# Altium PCB HIVE_BOARD_PCB ASCII REV Project_PCB_Rev.Project_SCH_Rev.PcbDoc (part 2 of 9)
Units mm, origin at the board's own origin, x right, y up, seen from the top; angles counter-clockwise.
Board outline 110 x 110 mm, 8 copper layers (Top, GND_1, Signal_1, GND_2, PWR, Signal_2, GND_3, Bottom), stack 1.6 mm thick; 674 components, 474 nets, 2528 pads, 2100 vias.
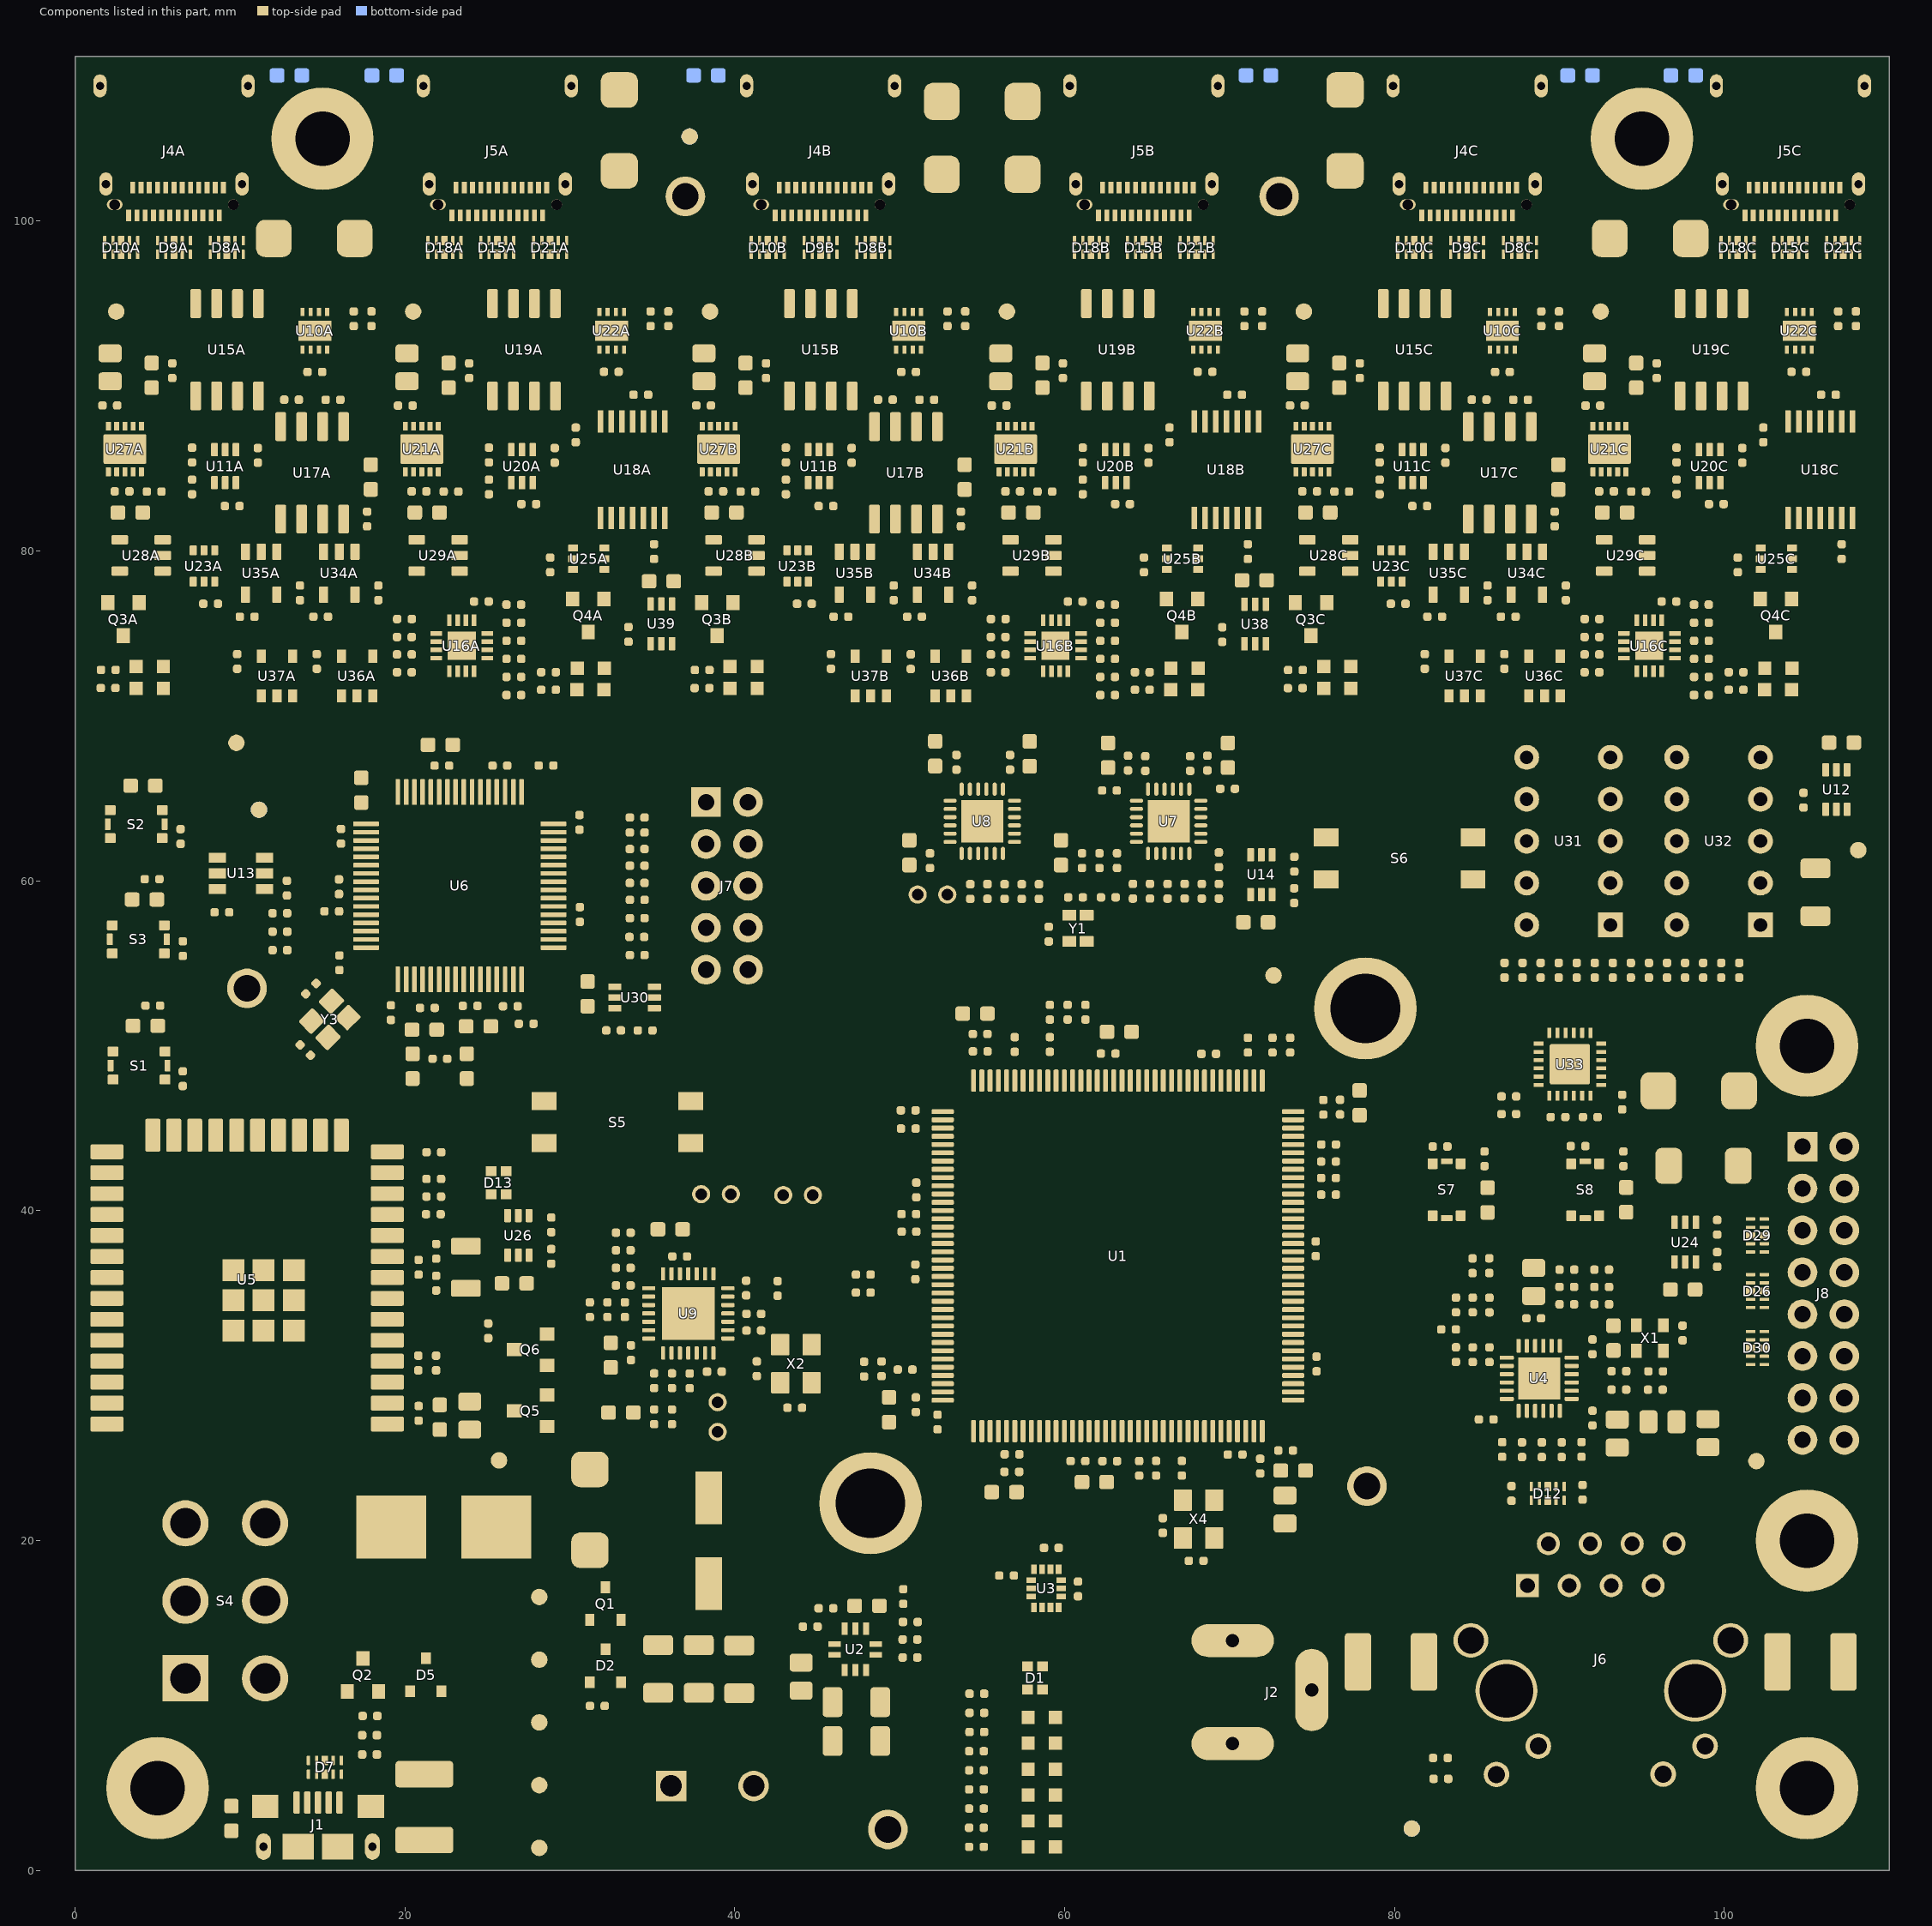
[diagram p8: the components of this part, seen from the top]

## Components (designator, comment, footprint, x,y, rotation, side; value= is the part's Value field where it differs from the comment) (continued)
D7 "DT1140-04LP-7" TVS_DATA_DT1140-04LP-7 15.146,6.259 r270 top
D8A "DT1140-04LP-7" TVS_DATA_DT1140-04LP-7 9.2,98.4 r270 top (schematic designator D8)
D8B "DT1140-04LP-7" TVS_DATA_DT1140-04LP-7 48.4,98.4 r270 top (schematic designator D8)
D8C "DT1140-04LP-7" TVS_DATA_DT1140-04LP-7 87.6,98.4 r270 top (schematic designator D8)
D9A "DT1140-04LP-7" TVS_DATA_DT1140-04LP-7 6,98.4 r270 top (schematic designator D9)
D9B "DT1140-04LP-7" TVS_DATA_DT1140-04LP-7 45.2,98.4 r270 top (schematic designator D9)
D9C "DT1140-04LP-7" TVS_DATA_DT1140-04LP-7 84.4,98.4 r270 top (schematic designator D9)
D10A "DT1140-04LP-7" TVS_DATA_DT1140-04LP-7 2.8,98.4 r270 top (schematic designator D10)
D10B "DT1140-04LP-7" TVS_DATA_DT1140-04LP-7 42,98.4 r270 top (schematic designator D10)
D10C "DT1140-04LP-7" TVS_DATA_DT1140-04LP-7 81.2,98.4 r270 top (schematic designator D10)
D11A "SMBJ5.0CA" TVS_PWR_SMBJ5.0CA 14.5,98.95 r0 top locked (schematic designator D11)
D11B "SMBJ5.0CA" TVS_PWR_SMBJ5.0CA 54.997,102.84 r0 top locked (schematic designator D11)
D11C "SMBJ5.0CA" TVS_PWR_SMBJ5.0CA 77,105.5 r90 top locked (schematic designator D11)
D12 "DT1140-04LP-7" TVS_DATA_DT1140-04LP-7 89.287,22.86 r90 top
D13 "EAST1616RGBA3" DIO_EAST1616RGBA3 25.679,41.707 r90 top
D14A "SML-D12U8WT86" LED_SML-D12U8WT86 4.53,71.666 r180 top (schematic designator D14)
D14B "SML-D12U8WT86" LED_SML-D12U8WT86 40.53,71.666 r180 top (schematic designator D14)
D14C "SML-D12U8WT86" LED_SML-D12U8WT86 76.53,71.666 r180 top (schematic designator D14)
D15A "DT1140-04LP-7" TVS_DATA_DT1140-04LP-7 25.6,98.4 r270 top (schematic designator D15)
D15B "DT1140-04LP-7" TVS_DATA_DT1140-04LP-7 64.8,98.4 r270 top (schematic designator D15)
D15C "DT1140-04LP-7" TVS_DATA_DT1140-04LP-7 104,98.4 r270 top (schematic designator D15)
D16A "SMBJ5.0CA" TVS_PWR_SMBJ5.0CA 33,105.5 r90 top locked (schematic designator D16)
D16B "SMBJ5.0CA" TVS_PWR_SMBJ5.0CA 54.999,107.254 r180 top locked (schematic designator D16)
D16C "SMBJ5.0CA" TVS_PWR_SMBJ5.0CA 95.5,98.95 r180 top locked (schematic designator D16)
D17A "SML-D12P8WT86" LED_SML-D12P8WT86 4.53,73 r180 top (schematic designator D17)
D17B "SML-D12P8WT86" LED_SML-D12P8WT86 40.53,73 r180 top (schematic designator D17)
D17C "SML-D12P8WT86" LED_SML-D12P8WT86 76.53,73 r180 top (schematic designator D17)
D18A "DT1140-04LP-7" TVS_DATA_DT1140-04LP-7 22.4,98.4 r270 top (schematic designator D18)
D18B "DT1140-04LP-7" TVS_DATA_DT1140-04LP-7 61.6,98.4 r270 top (schematic designator D18)
D18C "DT1140-04LP-7" TVS_DATA_DT1140-04LP-7 100.8,98.4 r270 top (schematic designator D18)
D19A "SML-D12P8WT86" LED_SML-D12P8WT86 31.267,72.898 r180 top (schematic designator D19)
D19B "SML-D12P8WT86" LED_SML-D12P8WT86 67.267,72.898 r180 top (schematic designator D19)
D19C "SML-D12P8WT86" LED_SML-D12P8WT86 103.267,72.898 r180 top (schematic designator D19)
D20A "SML-D12U8WT86" LED_SML-D12U8WT86 31.248,71.589 r180 top (schematic designator D20)
D20B "SML-D12U8WT86" LED_SML-D12U8WT86 67.248,71.589 r180 top (schematic designator D20)
D20C "SML-D12U8WT86" LED_SML-D12U8WT86 103.248,71.589 r180 top (schematic designator D20)
D21A "DT1140-04LP-7" TVS_DATA_DT1140-04LP-7 28.8,98.4 r270 top (schematic designator D21)
D21B "DT1140-04LP-7" TVS_DATA_DT1140-04LP-7 68,98.4 r270 top (schematic designator D21)
D21C "DT1140-04LP-7" TVS_DATA_DT1140-04LP-7 107.2,98.4 r270 top (schematic designator D21)
D22 "SML-D12P8WT86" LED_SML-D12P8WT86 58.608,7.719 r180 top
D23 "SML-D12P8WT86" LED_SML-D12P8WT86 58.608,6.148 r180 top
D24 "SML-D12P8WT86" LED_SML-D12P8WT86 58.608,4.577 r180 top
D25 "SML-D12P8WT86" LED_SML-D12P8WT86 58.611,9.289 r180 top
D26 "DT1140-04LP-7" TVS_DATA_DT1140-04LP-7 102,35.132 r0 top
D27 "SMBJ5.0CA" TVS_PWR_SMBJ5.0CA 98.436,47.276 r180 top
D28 "SMLVT3V3" TVS_POW_SMLVT3V3 98.725,42.728 r180 top
D29 "DT1140-04LP-7" TVS_DATA_DT1140-04LP-7 102,38.5 r0 top
D30 "DT1140-04LP-7" TVS_DATA_DT1140-04LP-7 102,31.68 r0 top
F1 "0154005.DR" FUS_0154XXX.DR 22.352,20.828 r0 top
FID1 "FID 1MM" FID_CIRCLE_1MM 81.044,2.546 r0 top
FID2 "FID 1MM" FID_CIRCLE_1MM 11.151,64.313 r0 top
FID3 "FID 1MM" FID_CIRCLE_1MM 37.262,105.131 r0 top
HS1 "ATS-CPX025025015-138-C2-R0" THE_HS_ATS-CPX025025015-138-C2-R0_NOMH 63.226,37.264 r0 top locked
J1 "10118193-0001LF" CON_USB_10118194-0001LF 14.73,1.448 r0 top
J2 "54-00166" CON_PWR_PJ-002A 70.18,7.695 r270 top
J3 "1935161" "CON_ 1935161" 36.142,5.126 r0 top
J4A "12401598E4#2A" CON_USB_3.2_TypeC_12401598E4#2A 6,101 r180 top locked (schematic designator J4)
J4B "12401598E4#2A" CON_USB_3.2_TypeC_12401598E4#2A 45.2,101 r180 top locked (schematic designator J4)
J4C "12401598E4#2A" CON_USB_3.2_TypeC_12401598E4#2A 84.4,101 r180 top locked (schematic designator J4)
J5A "12401598E4#2A" CON_USB_3.2_TypeC_12401598E4#2A 25.6,101 r180 top locked (schematic designator J5)
J5B "12401598E4#2A" CON_USB_3.2_TypeC_12401598E4#2A 64.8,101 r180 top locked (schematic designator J5)
J5C "12401598E4#2A" CON_USB_3.2_TypeC_12401598E4#2A 104,101 r180 top locked (schematic designator J5)
J6 "J1B1211CCD" CON_ETH_J1B1211CCD_WIZ 88.69,13.484 r0 top
J7 "PREC005DAAN-RC" CON_HDR_PREC009DAAN-RC 39.529,59.697 r0 top
J8 "PREC008DAAN-RC" CON_HDR_PREC008DAAN-RC 106,35 r0 top
J10 "SNT-100-BK-T-H" CON_JMP_SNT-100-BK-T-H 39.529,62.237 r180 top
J12 "SNT-100-BK-T-H" CON_JMP_SNT-100-BK-T-H 39.529,54.617 r180 top
J13 "SNT-100-BK-T-H" CON_JMP_SNT-100-BK-T-H 39.529,57.157 r180 top
J15 "SNT-100-BK-T-H" CON_JMP_SNT-100-BK-T-H 39.529,64.777 r180 top
J17 "SNT-100-BK-T-H" CON_JMP_SNT-100-BK-T-H 39.529,59.697 r180 top
L1 "MMZ2012Y202BT000" FER_0805 73.36,21.892 r90 top
L3 "MMZ2012Y202BT000" FER_0805 96.241,27.203 r180 top
L4 "BLM18HE152SN1D" FER_0603 20.464,48.767 r90 top
L6 "BLM18HE152SN1D" FER_0603 23.753,48.767 r90 top
MEC1 "SMTSO-M3-2ET" MEC_PEM_SMTSO-M3-2ET 48.226,22.264 r0 top
MEC2 "SMTSO-M3-2ET" MEC_PEM_SMTSO-M3-2ET 78.226,52.264 r0 top
MTH1 "M3" MTH_M3 5,5 r0 top
MTH2 "M3" MTH_M3 105,5 r0 top
MTH3 "M3" MTH_M3 15,105 r0 top locked
MTH4 "M3" MTH_M3 95,105 r0 top locked
MTH5 "M3" MTH_M3 105,20 r0 top
MTH6 "M3" MTH_M3 105,50 r0 top
Q1 "SI2369DS-T1-GE3" TRX_PMOS_SI2369DS-T1-GE3 32.156,16.18 r90 top
Q2 "BSS138LT1G" TRX_NMOS_BSS138LT1G 17.455,11.861 r90 top
Q3A "BSS138LT1G" TRX_NMOS_BSS138LT1G 2.933,75.87 r270 top (schematic designator Q3)
Q3B "BSS138LT1G" TRX_NMOS_BSS138LT1G 38.933,75.87 r270 top (schematic designator Q3)
Q3C "BSS138LT1G" TRX_NMOS_BSS138LT1G 74.933,75.87 r270 top (schematic designator Q3)
Q4A "BSS138LT1G" TRX_NMOS_BSS138LT1G 31.112,76.091 r270 top (schematic designator Q4)
Q4B "BSS138LT1G" TRX_NMOS_BSS138LT1G 67.112,76.091 r270 top (schematic designator Q4)
Q4C "BSS138LT1G" TRX_NMOS_BSS138LT1G 103.112,76.091 r270 top (schematic designator Q4)
Q5 "BSS138LT1G" TRX_NMOS_BSS138LT1G 27.623,27.873 r180 top
Q6 "BSS138LT1G" TRX_NMOS_BSS138LT1G 27.623,31.579 r180 top
R1 "ERJ-2RKF4750X" RES_0402 54.674,8.399 r180 top
R2 "ERJ-2RKF4750X" RES_0402 54.674,9.56 r180 top
R3 "RC0402FR-071KL" RES_0402 54.674,10.721 r180 top
R4 "RC0402FR-0710KL" RES_0402 36.191,29.696 r90 top
R5 "ERJ-2RKF4750X" RES_0402 54.65,6.078 r0 top
R6 "RC0402FR-0710KL" RES_0402 31.215,34.003 r270 top
R7 "RC0402FR-0710KL" RES_0402 36.191,27.508 r90 top
R8 "RC0402FR-071KL" RES_0402 4.669,60.105 r0 top
R9 "RC0402FR-07150RL" RES_0402 6.535,55.892 r270 top
R10 "RC0402FR-0710KL" RES_0402 17.882,9.373 r0 top
R11 "RC0402FR-071KL" RES_0402 54.65,1.435 r0 top
R12 "RC0402FR-071KL" RES_0402 31.665,9.98 r0 top
R13 "RC0402FR-0710KL" RES_0402 17.856,8.204 r0 top
R14 "RC0402FR-0710KL" RES_0402 17.856,7.036 r180 top
R15 "RC0402FR-0747KL" RES_0402 50.62,14.008 r0 top
R16 "RC0402FR-0710KL" RES_0402 33.238,37.607 r180 top
R17 "RC0402FR-0710KL" RES_0402 33.239,38.674 r0 top
R18 "RMCF0402FT10R0" RES_0402 90.448,36.431 r0 top
R19 "RMCF0402FT10R0" RES_0402 92.558,36.431 r180 top
R20 "RC0402FR-0710KL" RES_0402 35.109,27.506 r270 top
R21 "RC0402FR-0710KL" RES_0402 44.573,14.787 r180 top
R22 "RC0402FR-071KL" RES_0402 50.62,12.915 r180 top
R23 "ERJ-2RKF4750X" RES_0402 54.65,4.917 r0 top
R24 "RC0402FR-0710KL" RES_0402 45.523,15.9 r0 top
R25 "ERJ-2RKF4750X" RES_0402 54.648,2.596 r180 top
R26 "RC0402FR-0715KL" RES_0402 50.212,16.614 r270 top
R27 "RC0402FR-071KL" RES_0402 86.927,46.934 r0 top
R28 "RC0402FR-071KL" RES_0402 86.927,45.861 r0 top
R29 "RC0402FR-0710KL" RES_0402 43.634,28.058 r0 top
R30 "RC0603JR-070RL" RES_0603 9.48,3.16 r270 top
R31 "RC0402FR-07100RP" RES_0402 34.083,55.502 r180 top
R32 "RC0402FR-07100RP" RES_0402 34.058,56.601 r180 top
R33 "ERJ-2RKF4750X" RES_0402 54.65,3.757 r0 top
R34 "RC0402FR-07100KL" RES_0402 35.109,29.694 r270 top
R35 "RC0402FR-0710KL" RES_0402 33.239,36.54 r0 top
R36 "RC0402FR-0710KL" RES_0402 32.276,34.003 r270 top
R37 "RC0402FR-07100RP" RES_0402 34.083,57.741 r180 top
R38 "RC0402FR-071KL" RES_0402 4.711,52.439 r0 top
R39 "RC0402FR-07150RL" RES_0402 6.53,48.009 r270 top
R40 "ERJ-2RKF4750X" RES_0402 21.747,41.928 r180 top
R41 "RC0402FR-0749R9L" RES_0402 87.726,25.516 r270 top
R42 "RC0402FR-0749R9L" RES_0402 86.523,25.527 r270 top
R43 "RC0402FR-0749R9L" RES_0402 90.132,25.516 r270 top
R44 "RC0402FR-0749R9L" RES_0402 88.929,25.516 r270 top
R45 "RC0402FR-071K5L" RES_0402 83.273,32.808 r180 top
R46 "ERJ-2RKF4750X" RES_0402 21.721,39.792 r180 top
R47 "RMCF0402FT10R0" RES_0402 83.721,34.29 r90 top
R48 "RMCF0402FT10R0" RES_0402 83.721,31.282 r90 top
R49 "RC0402FR-07270RL" FER_0402 82.779,6.824 r0 top
R50 "RC0402FR-0712K1L" RES_0402 91.335,25.529 r90 top
R51 "RC0402FR-07270RL" FER_0402 82.81,5.56 r0 top
R52 "RC0402FR-0712KL" RES_0402 42.596,35.292 r270 top
R53 "RC0402FR-0710KL" RES_0402 90.444,34.33 r0 top
R54 "RC0402FR-07100RP" RES_0402 34.083,58.851 r180 top
R55 "RC0402FR-07100RP" RES_0402 34.08,60.922 r180 top
R56 "RC0402FR-07100RP" RES_0402 34.08,61.933 r180 top
R57 "RC0402FR-07100RP" RES_0402 34.08,62.933 r180 top
R58 "RC0402FR-0710KL" RES_0402 92.562,34.33 r180 top
R59 "RC0402FR-0710KL" RES_0402 21.752,43.546 r180 top
R60 "RC0402FR-0710KL" RES_0402 84.737,34.29 r90 top
R61 "RC0402FR-0710KL" RES_0402 97.458,32.59 r90 top
R62 "RC0402FR-07100RP" RES_0402 34.08,63.843 r180 top
R63 "RC0402FR-071KL" RES_0402 21.747,40.86 r180 top
R64 "RC0402FR-0710KL" RES_0402 67.969,18.776 r0 top
R65 "RC0402FR-0710KL" RES_0402 15.565,58.155 r180 top
R66 "RC0402FR-0710KL" RES_0402 27.351,51.336 r180 top
R67 "RC0402FR-0710KL" RES_0402 12.418,58.04 r180 top
R68 "RC0402FR-0710KL" RES_0402 12.421,56.922 r0 top
R69 "RC0402FR-0710KL" RES_0402 12.421,55.804 r0 top
R70 "RC0402FR-071ML" RES_0402 19.149,52.014 r90 top
R71 "RC0402FR-07150RL" RES_0402 6.397,62.694 r270 top
R72 "RC0402FR-072K2L" RES_0402 12.844,59.561 r270 top
R73 "RC0402FR-0710KL" RES_0402 84.737,31.276 r90 top
R74 "RC0402FR-0712KL" RES_0402 22.119,49.217 r0 top
R75 "RC0402FR-0710KL" RES_0402 93.599,29.159 r180 top
R76 "RC0402FR-0710KL" RES_0402 95.809,29.154 r0 top
R77A "ERJ-2RKF4750X" RES_0402 2.016,72.793 r180 top (schematic designator R77)
R77B "ERJ-2RKF4750X" RES_0402 38.022,72.786 r180 top (schematic designator R77)
R77C "ERJ-2RKF4750X" RES_0402 73.989,72.785 r180 top (schematic designator R77)
R78 "RC0402FR-0710KL" RES_0402 85.738,36.673 r270 top
R79 "RC0402FR-07100RP" RES_0402 34.08,59.879 r180 top
R80 "RC0402FR-071KL" RES_0402 66.238,59.372 r270 top
R81 "RC0402FR-071KL" RES_0402 64.135,59.372 r270 top
R82 "RC0402FR-0733RL" RES_0402 60.655,59.003 r180 top
R83 "RC0402FR-071KL" RES_0402 67.274,59.374 r90 top
R84 "RC0402FR-071KL" RES_0402 65.171,59.374 r90 top
R85 "RC0402FR-071KL" RES_0402 68.311,59.372 r270 top
R86 "RC0402FR-071KL" RES_0402 69.347,59.372 r270 top
R87 "RC0402FR-071KL" RES_0402 54.275,59.357 r270 top
R88 "RC0402FR-071KL" RES_0402 55.315,59.359 r90 top
R89 "RC0402FR-071KL" RES_0402 56.356,59.357 r270 top
R90 "RC0402FR-071KL" RES_0402 57.397,59.357 r270 top
R91 "RC0402FR-0710KL" RES_0402 21.889,30.771 r90 top
R92 "RC0402FR-0710KL" RES_0402 25.051,32.722 r270 top
R93A "RC0402FR-0710KL" RES_0402 7.095,83.884 r90 top (schematic designator R93)
R93B "RC0402FR-0710KL" RES_0402 43.095,83.884 r90 top (schematic designator R93)
R93C "RC0402FR-0710KL" RES_0402 79.095,83.884 r90 top (schematic designator R93)
R94A "RC0402FR-07100RP" RES_0402 14.537,90.856 r0 top (schematic designator R94)
R94B "RC0402FR-07100RP" RES_0402 50.537,90.856 r0 top (schematic designator R94)
R94C "RC0402FR-07100RP" RES_0402 86.537,90.856 r0 top (schematic designator R94)
R95A "RC0402FR-07100KL" RES_0402 11.082,85.801 r90 top (schematic designator R95)
R95B "RC0402FR-07100KL" RES_0402 47.082,85.801 r90 top (schematic designator R95)
R95C "RC0402FR-07100KL" RES_0402 83.082,85.801 r90 top (schematic designator R95)
R96 "RC0402FR-0710KL" RES_0402 73.914,59.106 r270 top
R97A "RC0402FR-07100KL" RES_0402 7.095,85.821 r270 top (schematic designator R97)
R97B "RC0402FR-07100KL" RES_0402 43.095,85.821 r270 top (schematic designator R97)
R97C "RC0402FR-07100KL" RES_0402 79.095,85.821 r270 top (schematic designator R97)
R99A "RC0402FR-07100KL" RES_0402 35.105,79.966 r90 top (schematic designator R99)
R99B "RC0402FR-07100KL" RES_0402 71.105,79.966 r90 top (schematic designator R99)
R99C "RC0402FR-07100KL" RES_0402 107.105,79.966 r90 top (schematic designator R99)
R100A "RC0402FR-07100KL" RES_0402 19.967,73.733 r0 top (schematic designator R100)
R100B "RC0402FR-07100KL" RES_0402 55.967,73.733 r0 top (schematic designator R100)
R100C "RC0402FR-07100KL" RES_0402 91.967,73.733 r0 top (schematic designator R100)
R101A "RC0402FR-0710KL" RES_0402 26.603,75.654 r0 top (schematic designator R101)
R101B "RC0402FR-0710KL" RES_0402 62.603,75.654 r0 top (schematic designator R101)
R101C "RC0402FR-0710KL" RES_0402 98.603,75.654 r0 top (schematic designator R101)
R102A "RC0402FR-070RL" RES_0402 26.603,74.557 r0 top (schematic designator R102)
R102B "RC0402FR-070RL" RES_0402 62.603,74.557 r0 top (schematic designator R102)
R102C "RC0402FR-070RL" RES_0402 98.603,74.557 r0 top (schematic designator R102)
R103A "RC0402FR-0784R5L" RES_0402 15.641,89.169 r0 top (schematic designator R103)
R103B "RC0402FR-0784R5L" RES_0402 51.641,89.169 r0 top (schematic designator R103)
R103C "RC0402FR-0784R5L" RES_0402 87.641,89.169 r0 top (schematic designator R103)
R104A "RC0402FR-0784R5L" RES_0402 13.126,89.174 r0 top (schematic designator R104)
R104B "RC0402FR-0784R5L" RES_0402 49.126,89.174 r0 top (schematic designator R104)
R104C "RC0402FR-0784R5L" RES_0402 85.126,89.174 r0 top (schematic designator R104)
R105A "RC0402FR-070RL" RES_0402 26.603,73.461 r0 top (schematic designator R105)
R105B "RC0402FR-070RL" RES_0402 62.603,73.461 r0 top (schematic designator R105)
R105C "RC0402FR-070RL" RES_0402 98.603,73.461 r0 top (schematic designator R105)
R106A "RC0402FR-07100KL" RES_0402 19.965,72.649 r180 top (schematic designator R106)
R106B "RC0402FR-07100KL" RES_0402 55.965,72.649 r180 top (schematic designator R106)
R106C "RC0402FR-07100KL" RES_0402 91.965,72.649 r180 top (schematic designator R106)
R107A "RC0402FR-07100KL" RES_0402 19.972,75.874 r0 top (schematic designator R107)
R107B "RC0402FR-07100KL" RES_0402 55.972,75.874 r0 top (schematic designator R107)
R107C "RC0402FR-07100KL" RES_0402 91.972,75.874 r0 top (schematic designator R107)
R108A "RC0402FR-0740K2L" RES_0402 19.965,74.783 r0 top (schematic designator R108)
R108B "RC0402FR-0740K2L" RES_0402 55.965,74.783 r0 top (schematic designator R108)
R108C "RC0402FR-0740K2L" RES_0402 91.965,74.783 r0 top (schematic designator R108)
R109 "RC0402FR-0710KL" RES_0402 99.56,37.054 r90 top
R110A "ERJ-2RKF4750X" RES_0402 28.704,72.651 r180 top (schematic designator R110)
R110B "ERJ-2RKF4750X" RES_0402 64.704,72.651 r180 top (schematic designator R110)
R110C "ERJ-2RKF4750X" RES_0402 100.704,72.651 r180 top (schematic designator R110)
R111A "RC0402FR-0710KL" RES_0402 26.603,72.365 r0 top (schematic designator R111)
R111B "RC0402FR-0710KL" RES_0402 62.603,72.365 r0 top (schematic designator R111)
R111C "RC0402FR-0710KL" RES_0402 98.603,72.365 r0 top (schematic designator R111)
R112A "RC0402FR-0710KL" RES_0402 25.095,83.884 r90 top (schematic designator R112)
R112B "RC0402FR-0710KL" RES_0402 61.095,83.884 r90 top (schematic designator R112)
R112C "RC0402FR-0710KL" RES_0402 97.095,83.884 r90 top (schematic designator R112)
R113A "RC0402FR-0710KL" RES_0402 26.601,71.268 r180 top (schematic designator R113)
R113B "RC0402FR-0710KL" RES_0402 62.601,71.268 r180 top (schematic designator R113)
R113C "RC0402FR-0710KL" RES_0402 98.601,71.268 r180 top (schematic designator R113)
R114 "RC0402FR-0710KL" RES_0402 85.452,43.151 r90 top
R115A "ERJ-2RKF4750X" RES_0402 2.003,71.697 r180 top (schematic designator R115)
R115B "ERJ-2RKF4750X" RES_0402 38.009,71.689 r180 top (schematic designator R115)
R115C "ERJ-2RKF4750X" RES_0402 73.976,71.688 r180 top (schematic designator R115)
R116 "RC0402FR-0710KL" RES_0402 47.786,35.043 r0 top
R117A "RC0402FR-07100KL" RES_0402 29.082,85.801 r90 top (schematic designator R117)
R117B "RC0402FR-07100KL" RES_0402 65.082,85.801 r90 top (schematic designator R117)
R117C "RC0402FR-07100KL" RES_0402 101.082,85.801 r90 top (schematic designator R117)
R118A "RC0402FR-07100KL" RES_0402 25.095,85.821 r270 top (schematic designator R118)
R118B "RC0402FR-07100KL" RES_0402 61.095,85.821 r270 top (schematic designator R118)
R118C "RC0402FR-07100KL" RES_0402 97.095,85.821 r270 top (schematic designator R118)
R119A "RC0402FR-07100KL" RES_0402 34.303,89.477 r180 top (schematic designator R119)
R119B "RC0402FR-07100KL" RES_0402 70.303,89.477 r180 top (schematic designator R119)
R119C "RC0402FR-07100KL" RES_0402 106.303,89.477 r180 top (schematic designator R119)
R120 "RC0402FR-0710KL" RES_0402 28.868,37.234 r270 top
R121 "RC0402FR-0710KL" RES_0402 93.872,43.149 r90 top
R122 "RC0402FR-0710KL" RES_0402 47.786,36.135 r180 top
R123A "ERJ-2RKF4750X" RES_0402 28.704,71.589 r180 top (schematic designator R123)
R123B "ERJ-2RKF4750X" RES_0402 64.704,71.589 r180 top (schematic designator R123)
R123C "ERJ-2RKF4750X" RES_0402 100.704,71.589 r180 top (schematic designator R123)